# Altium PCB BLDC_v3.PcbDoc (part 1 of 2) (continued)
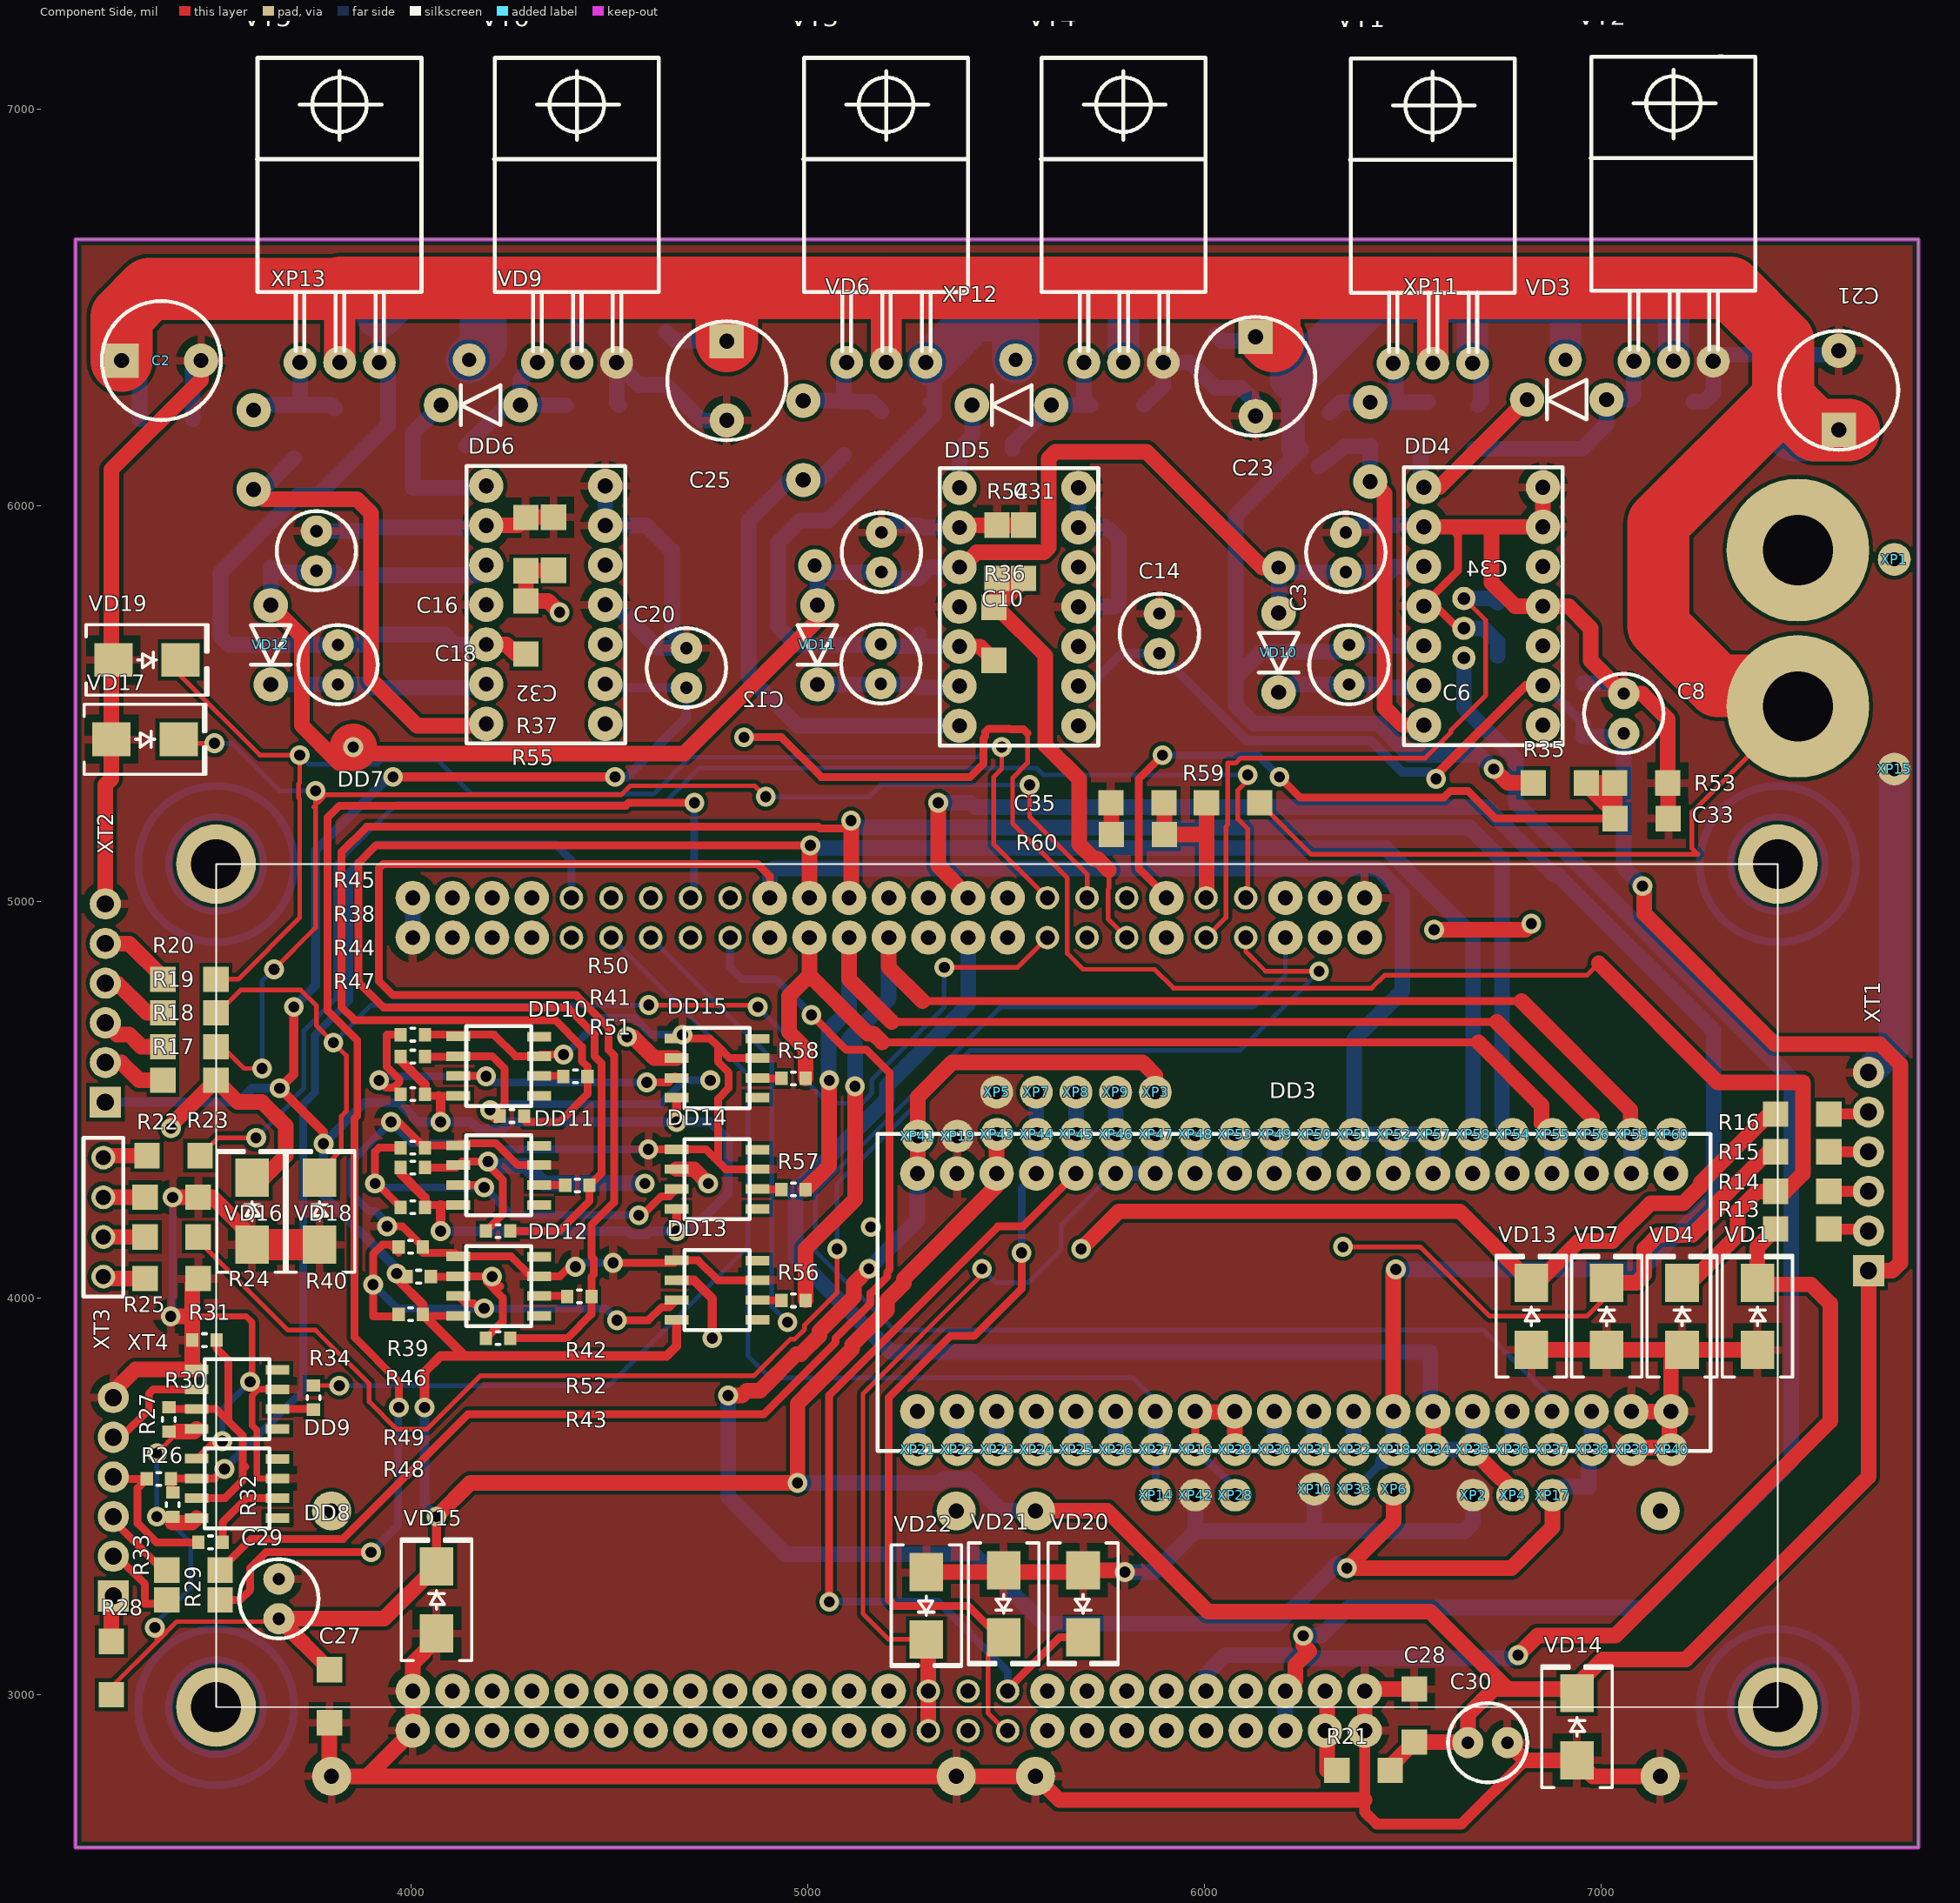
[diagram p0: Component Side view]
## Design rules (kind name [scope] priority, off if disabled: settings)
Clearance [All] p1: gap=10 except(11.81: Arc-Arc Arc-Track Arc-THPad Arc-Via Track-Track Track-THPad Track-Via THPad-THPad THPad-Via Via-Via)
ComponentClearance [All] p1 off: gap=5 collisioncheckmode=3 verticalgap=5 showdistances=FALSE
Height [All] p1 off: minheight=0 maxheight=1000 prefheight=500
PlaneClearance [All] p1: clearance=10
PlaneConnect [All] p1: planeconnectstyle=Relief reliefexpansion=20 reliefentries=4 reliefconductorwidth=19.68 reliefairgap=19.68
PolygonConnect PolygonConnect_1 [IsPolygon vs (Not HasFootprint('IRLZ44N')) and (Not HasFootprint('XP_WIDE')) and (Not HasFootprint(' ACS_SENSOR'))] p1: connectstyle=Relief reliefconductorwidth=19.68 reliefentries=4 polygonreliefangle="90 Angle" airgapwidth=19.68
PolygonConnect [IsPolygon vs HasFootprint('XP_WIDE') or HasFootprint('IRLZ44N') or  HasFootprint('ACS_SENSOR')] p2: connectstyle=Direct reliefconductorwidth=10 reliefentries=4 polygonreliefangle="90 Angle" airgapwidth=10
PolygonConnect PolygonConnect_12 [IsPolygon And InNet('GND') And OnLayer('Bottom Layer, Bottom') vs IsVia] p3 off: connectstyle=Direct reliefconductorwidth=15 reliefentries=4 polygonreliefangle="90 Angle" airgapwidth=10
PolygonConnect PolygonConnect_10 [IsPolygon And InNet('+36V') And OnLayer('Bottom Layer, Bottom') vs IsVia] p4 off: connectstyle=Direct reliefconductorwidth=15 reliefentries=4 polygonreliefangle="90 Angle" airgapwidth=10
PolygonConnect PolygonConnect_7 [IsPolygon And InNet('PHASE_A') And OnLayer('Bottom Layer, Bottom') vs IsPad] p5 off: connectstyle=Direct reliefconductorwidth=15 reliefentries=4 polygonreliefangle="90 Angle" airgapwidth=10
PolygonConnect PolygonConnect_6 [IsPolygon And InNet('PHASE_B') And OnLayer('Bottom Layer, Bottom') vs IsVia] p6 off: connectstyle=Direct reliefconductorwidth=15 reliefentries=4 polygonreliefangle="90 Angle" airgapwidth=10
PolygonConnect PolygonConnect_4 [IsPolygon And InNet('+12V') And OnLayer('Bottom Layer, Bottom') vs IsVia] p7 off: connectstyle=Direct reliefconductorwidth=15 reliefentries=4 polygonreliefangle="90 Angle" airgapwidth=10
PolygonConnect PolygonConnect_3 [IsPolygon And InNet('+12V') And OnLayer('Bottom Layer, Bottom') vs IsPad] p8 off: connectstyle=Direct reliefconductorwidth=15 reliefentries=4 polygonreliefangle="90 Angle" airgapwidth=10
RoutingVias [All] p1: holewidth=28 width=50 viastyle="Through Hole" minholewidth=28 minwidth=50 maxholewidth=280 maxwidth=500
SolderMaskExpansion [All] p1: expansion=4
Width [All] p1: maxlimit=500 minlimit=10 preferedwidth=10 midlayer2_maxwidth=10 minimp=50.000000 maximp=50.000000 favimp=50.000000
26 further rules are at their usual default settings.

## Components (designator, comment, footprint, x,y, rotation, side; value= is the part's Value field where it differs from the comment)
ACS758 "ACS758" ACS_SENSOR 6655,5690 r90 bottom
C1 "C_1206" RC1206 3450.28,6217.36 r180 bottom
C2 "C100_V_WIDE" C100_WIDE 3271.14,6365 r0 top
C3 "C10_V" C10_V 6357.32,5831.54 r90 top
C4 "C_1206" RC1206 6451.81,5949.65 r270 bottom
C5 "C_1206" RC1206 6451.81,5674.06 r270 bottom
C6 "C10_V" C10_V 6365.2,5548.07 r90 top
C7 "C_1206" RC1206 6955.75,5551.18 r270 bottom
C8 "C10_V" C10_V 7058.11,5425.2 r90 top
C9 "C_1206" RC1206 5280.98,5949.65 r270 bottom
C10 "C10_V" C10_V 5186.5,5831.54 r90 top
C11 "C_1206" RC1206 5280.98,5674.06 r270 bottom
C12 "C10_V" C10_V 5185,5550 r90 top
C13 "C_1206" RC1206 5784.92,5752.8 r270 bottom
C14 "C10_V" C10_V 5887.28,5626.81 r90 top
C15 "C_1206" RC1206 3903.03,5949.65 r270 bottom
C16 "C10_V" C10_V 3762.05,5835.12 r90 top
C17 "C_1206" RC1206 3903.03,5674.06 r270 bottom
C18 "C10_V" C10_V 3816.42,5548.07 r90 top
C19 "C_1206" RC1206 4596.97,5666.18 r270 bottom
C20 "C10_V" C10_V 4695,5540 r90 top
C21 "C100_V_WIDE" C100_WIDE 7600,6190 r90 top
C22 "C_1206" RC1206 7435,6380 r270 bottom
C23 "C100_V_WIDE" C100_WIDE 6130,6425 r270 top
C24 "C_1206" RC1206 6029.02,6296.1 r90 bottom
C25 "C100_V_WIDE" C100_WIDE 4796.73,6414.21 r270 top
C26 "C_1206" RC1206 4643.19,6303.98 r90 bottom
C27 "C_1206" RC1206 3795,2930 r90 top
C28 "C_1206" RC1206 6530,3015 r270 top
C29 "C10_V" C10_V 3667.5,3192.5 r90 top
C30 "C10_V" C10_V 6665,2880 r0 top
C31 "C_1206" RC1206 5545,5950 r270 top
C32 "C_1206" RC1206 4360,5970 r270 top
C33 "C_1206" RC1206 7170,5210 r180 top
C34 "C_1206" RC1206 6740,5620 r90 bottom
C35 "C_1206" RC1206 5765,5250 r0 top
DD1 "LM2596_WIDE" LM2596_WIDE 5375,2795 r180 bottom
DD2 "LM2596_WIDE" LM2596_WIDE 7150,2795 r180 bottom
DD3 "STM32F103_WIDE" STM32F103_BOARD_WIDE 5277.05,3715.12 r0 top
DD4 "IR2112_WIDE" DIP14_WIDE_HOLES 6554.17,6045.71 r0 top
DD5 "IR2112_WIDE" DIP14_WIDE_HOLES 5383.35,6044.13 r0 top
DD6 "IR2112_WIDE" DIP14_WIDE_HOLES 4190.39,6049.13 r0 top
DD7 "STM32F4Disco" STM32F407-Disco 6405,5010 r270 top
DD8 "HCPL0600" HCPL0600 3480,3420 r90 top
DD9 "HCPL0600" HCPL0600 3480,3645 r90 top
DD10 "HCPL0600" HCPL0600 4140,4485 r90 top
DD11 "HCPL0600" HCPL0600 4140,4210 r90 top
DD12 "HCPL0600" HCPL0600 4140,3930 r90 top
DD13 "HCPL0600" HCPL0600 4690,3920 r90 top
DD14 "HCPL0600" HCPL0600 4690,4200 r90 top
DD15 "HCPL0600" HCPL0600 4690,4480 r90 top
R1 "R_1206" CC1206 6565,6265 r0 bottom
R2 "R_1206" CC1206 6316.42,6099.25 r90 bottom
R3 "R_1206" CC1206 6546.3,6142.56 r0 bottom
R4 "R_1206" CC1206 7099.88,6260.67 r0 bottom
R5 "R_1206" CC1206 5186.5,6237.05 r0 bottom
R6 "R_1206" CC1206 5092.01,6126.81 r90 bottom
R7 "R_1206" CC1206 5383.35,6142.56 r0 bottom
R8 "R_1206" CC1206 5714.06,6252.8 r0 bottom
R9 "R_1206" CC1206 3808.54,6244.92 r0 bottom
R10 "R_1206" CC1206 3706.18,6118.94 r90 bottom
R11 "R_1206" CC1206 4005.39,6150.43 r0 bottom
R12 "R_1206" CC1206 4391.22,6252.8 r0 bottom
R13 "R_1206" CC1206 7575,4175 r180 top
R14 "R_1206" CC1206 7575,4270 r180 top
R15 "R_1206" CC1206 7575,4370 r180 top
R16 "R_1206" CC1206 7575,4465 r180 top
R17 "R_1206" CC1206 3375,4550 r0 top
R18 "R_1206" CC1206 3375,4635 r0 top
R19 "R_1206" CC1206 3375,4720 r0 top
R20 "R_1206" CC1206 3375,4805 r0 top
R21 "R_1206" CC1206 6335,2810 r0 top
R22 "R_1206" CC1206 3335,4360 r0 top
R23 "R_1206" CC1206 3330,4255 r0 top
R24 "R_1206" CC1206 3330,4155 r0 top
R25 "R_1206" CC1206 3330,4050 r0 top
R26 "4.7k" SMT0603/VISHAY 3400,3480 r90 top
R27 "Перемычка" SMT0603/VISHAY 3365,3545 r0 top
R28 "R_1206" CC1206 3245,3135 r270 top
R29 "R_1206" CC1206 3385,3240 r0 top
R30 "10k" SMT0603/VISHAY 3390,3695 r90 top
R31 "10k" SMT0603/VISHAY 3480,3895 r180 top
R32 "R_1206" CC1206 3385,3315 r0 top
R33 "220" SMT0603/VISHAY 3495,3385 r0 top
R34 "220" SMT0603/VISHAY 3755,3750 r270 top
R35 "R_1206" CC1206 6830,5300 r0 top
R36 "R_1206" CC1206 5470,5609 r90 top
R37 "R_1206" CC1206 4290,5625 r90 top
R38 "4.7k" SMT0603/VISHAY 4005,4610 r0 top
R39 "4.7k" SMT0603/VISHAY 4005,4330 r0 top
R40 "4.7k" SMT0603/VISHAY 4020,4055 r0 top
R41 "Перемычка" SMT0603/VISHAY 4255,4460 r180 top
R42 "Перемычка" SMT0603/VISHAY 4220,4170 r180 top
R43 "Перемычка" SMT0603/VISHAY 4220,3900 r180 top
R44 "10k" SMT0603/VISHAY 4005,4515 r180 top
R45 "10k" SMT0603/VISHAY 4005,4665 r0 top
R46 "10k" SMT0603/VISHAY 4005,4230 r180 top
R47 "10k" SMT0603/VISHAY 4005,4380 r0 top
R48 "10k" SMT0603/VISHAY 4000,3960 r180 top
R49 "10k" SMT0603/VISHAY 4000,4130 r0 top
R50 "220" SMT0603/VISHAY 4415,4560 r180 top
R51 "220" SMT0603/VISHAY 4420,4285 r180 top
R52 "220" SMT0603/VISHAY 4425,4005 r180 top
R53 "R_1206" CC1206 7035,5300 r0 top
R54 "R_1206" CC1206 5478,5816 r90 top
R55 "R_1206" CC1206 4290,5835 r90 top
R56 "220" SMT0603/VISHAY 4965,3995 r180 top
R57 "220" SMT0603/VISHAY 4965,4275 r180 top
R58 "220" SMT0603/VISHAY 4965,4555 r180 top
R59 "R_1206" CC1206 6140,5250 r180 top
R60 "R_1206" CC1206 5900,5170 r180 top
VD1 "SMLVT3V3" "DO214AA SMB" 7395,3955 r90 top
VD2 "DIODE_LIE_WIDE" DIODE_V_WIDE_HOLES 6418.78,6059.88 r90 bottom
VD3 "DIODE_LIE_WIDE" DIODE_V_WIDE_HOLES 6814.45,6266.57 r0 top
VD4 "SMLVT3V3" "DO214AA SMB" 7205,3955 r90 top
VD5 "DIODE_LIE_WIDE" DIODE_V_WIDE_HOLES 4989.65,6063.82 r90 bottom
VD6 "DIODE_LIE_WIDE" DIODE_V_WIDE_HOLES 5414.84,6252.8 r0 top
VD7 "SMLVT3V3" "DO214AA SMB" 7015,3955 r90 top
VD8 "DIODE_LIE_WIDE" DIODE_V_WIDE_HOLES 3603.82,6040.2 r90 bottom
VD9 "DIODE_LIE_WIDE" DIODE_V_WIDE_HOLES 4076.26,6252.8 r0 top
VD10 "DIODE_LIE_WIDE" DIODE_V_WIDE_HOLES 6188.03,5528.39 r90 top
VD11 "DIODE_LIE_WIDE" DIODE_V_WIDE_HOLES 5025.08,5548.07 r90 top
VD12 "DIODE_LIE_WIDE" DIODE_V_WIDE_HOLES 3647.13,5548.07 r90 top
VD13 "SMLVT3V3" "DO214AA SMB" 6825,3955 r90 top
VD14 "SMBJ5.0CA-TR" "DO214AA SMB" 6940,2920 r90 top
VD15 "SMBJ5.0CA-TR" "DO214AA SMB" 4065,3240 r90 top
VD16 "SMLVT3V3" "DO214AA SMB" 3600,4220 r90 top
VD17 "SMLVT3V3" "DO214AA SMB" 3330,5410 r0 top
VD18 "SMLVT3V3" "DO214AA SMB" 3770,4220 r90 top
VD19 "SMLVT3V3" "DO214AA SMB" 3335,5610 r0 top
VD20 "SMBJ5.0CA-TR" "DO214AA SMB" 5695,3230 r270 top
VD21 "SMBJ5.0CA-TR" "DO214AA SMB" 5495,3230 r270 top
VD22 "SMBJ5.0CA-TR" "DO214AA SMB" 5300,3225 r270 top
VT1 "IRLZ44N" IRLZ44N 6469.96,6365 r0 top
VT2 "IRLZ44N" IRLZ44N 7077.05,6370.12 r0 top
VT3 "IRLZ44N" IRLZ44N 5092.01,6366.97 r0 top
VT4 "IRLZ44N" IRLZ44N 5690.43,6366.97 r0 top
VT5 "IRLZ44N" IRLZ44N 3714.06,6366.97 r0 top
VT6 "IRLZ44N" IRLZ44N 4312.48,6366.97 r0 top
XP1 "XP_1_WIDE" XP_WIDE 7740,5863.7 r90 top
XP2 "XP_1_WIDE" XP_WIDE 6678.11,3504.02 r270 top
XP3 "XP_1_WIDE" XP_WIDE 5877.05,4520.12 r0 top
XP4 "XP_1_WIDE" XP_WIDE 6778.11,3504.02 r270 top
XP5 "XP_1_WIDE" XP_WIDE 5477.05,4520.12 r0 top
XP6 "XP_1_WIDE" XP_WIDE 6478.11,3519.02 r270 top
XP7 "XP_1_WIDE" XP_WIDE 5577.05,4520.12 r0 top
XP8 "XP_1_WIDE" XP_WIDE 5677.05,4520.12 r0 top
XP9 "XP_1_WIDE" XP_WIDE 5777.05,4520.12 r0 top
XP10 "XP_1_WIDE" XP_WIDE 6278.11,3519.02 r270 top
XP11 "XP_1_WIDE" XP_WIDE 6910.91,6366.97 r0 top
XP12 "XP_1_WIDE" XP_WIDE 5525.08,6366.97 r0 top
XP13 "XP_1_WIDE" XP_WIDE 4147.13,6366.97 r0 top
XP14 "XP_1_WIDE" XP_WIDE 5878.11,3504.02 r90 top
XP15 "XP_1_WIDE" XP_WIDE 7740,5335 r90 top
XP16 "XP_1_WIDE" XP_WIDE 5978.11,3619.02 r0 top
XP17 "XP_1_WIDE" XP_WIDE 6878.11,3504.02 r270 top
XP18 "XP_1_WIDE" XP_WIDE 6478.11,3619.02 r0 top
XP19 "XP_1_WIDE" XP_WIDE 5378.11,4409.02 r0 top
XP21 "XP_1_WIDE" XP_WIDE 5278.11,3619.02 r0 top
XP22 "XP_1_WIDE" XP_WIDE 5378.11,3619.02 r0 top
XP23 "XP_1_WIDE" XP_WIDE 5478.11,3619.02 r0 top
XP24 "XP_1_WIDE" XP_WIDE 5578.11,3619.02 r0 top
XP25 "XP_1_WIDE" XP_WIDE 5678.11,3619.02 r0 top
XP26 "XP_1_WIDE" XP_WIDE 5778.11,3619.02 r0 top
XP27 "XP_1_WIDE" XP_WIDE 5878.11,3619.02 r0 top
XP28 "XP_1_WIDE" XP_WIDE 6078.11,3504.02 r90 top
XP29 "XP_1_WIDE" XP_WIDE 6078.11,3619.02 r0 top
XP30 "XP_1_WIDE" XP_WIDE 6178.11,3619.02 r0 top
XP31 "XP_1_WIDE" XP_WIDE 6278.11,3619.02 r0 top
XP32 "XP_1_WIDE" XP_WIDE 6378.11,3619.02 r0 top
XP33 "XP_1_WIDE" XP_WIDE 6378.11,3519.02 r270 top
XP34 "XP_1_WIDE" XP_WIDE 6578.11,3619.02 r0 top
XP35 "XP_1_WIDE" XP_WIDE 6678.11,3619.02 r0 top
XP36 "XP_1_WIDE" XP_WIDE 6778.11,3619.02 r0 top
XP37 "XP_1_WIDE" XP_WIDE 6878.11,3619.02 r0 top
XP38 "XP_1_WIDE" XP_WIDE 6978.11,3619.02 r0 top
XP39 "XP_1_WIDE" XP_WIDE 7078.11,3619.02 r0 top
XP40 "XP_1_WIDE" XP_WIDE 7178.11,3619.02 r0 top
XP41 "XP_1_WIDE" XP_WIDE 5278.11,4409.02 r0 top
XP42 "XP_1_WIDE" XP_WIDE 5978.11,3504.02 r90 top
XP43 "XP_1_WIDE" XP_WIDE 5478.11,4414.02 r0 top
XP44 "XP_1_WIDE" XP_WIDE 5578.11,4414.02 r0 top
XP45 "XP_1_WIDE" XP_WIDE 5678.11,4414.02 r0 top
XP46 "XP_1_WIDE" XP_WIDE 5778.11,4414.02 r0 top
XP47 "XP_1_WIDE" XP_WIDE 5878.11,4414.02 r0 top
XP48 "XP_1_WIDE" XP_WIDE 5978.11,4414.02 r0 top
XP49 "XP_1_WIDE" XP_WIDE 6178.11,4414.02 r0 top
XP50 "XP_1_WIDE" XP_WIDE 6278.11,4414.02 r0 top
XP51 "XP_1_WIDE" XP_WIDE 6378.11,4414.02 r0 top
XP52 "XP_1_WIDE" XP_WIDE 6478.11,4414.02 r0 top
XP53 "XP_1_WIDE" XP_WIDE 6078.11,4414.02 r0 top
XP54 "XP_1_WIDE" XP_WIDE 6778.11,4414.02 r0 top
XP55 "XP_1_WIDE" XP_WIDE 6878.11,4414.02 r0 top
XP56 "XP_1_WIDE" XP_WIDE 6978.11,4414.02 r0 top
XP57 "XP_1_WIDE" XP_WIDE 6578.11,4414.02 r0 top
XP58 "XP_1_WIDE" XP_WIDE 6678.11,4414.02 r0 top
XP59 "XP_1_WIDE" XP_WIDE 7078.11,4414.02 r0 top
XP60 "XP_1_WIDE" XP_WIDE 7178.11,4414.02 r0 top
XT1 "PLS6_GOST" XP_6_PIN 7675,4070 r90 top
XT2 "PLS6_GOST" XP_6_PIN 3230,4495 r90 top
XT3 "PLS4_GOST" XP_4_PIN_2 3225,4355 r0 top
XT4 "PLS6_GOST" XP_6_PIN 3250,3250 r90 top

## Footprints (in the part's own frame and the unit in brackets; to place one, negate y for a bottom-side part, rotate by r counter-clockwise, add the part's x,y. Pads: shape width x height; smd on the part's side, far side on the other; paste and mask are expansions set on the pad)
ACS_SENSOR [mil]
  round 59 hole 31.5: 1(-75,0) 2(0,0) 3(75,0)
  round 360 hole 177.17: 4(197,842) 5(-197,842)
  Multi-Layer lines w3.94: -275,802 cw(c-275,842) -315,842 cw(c-275,842) -275,882 ; -118,802 ccw(c-118,842) -118,882 ; 118,802 cw(c118,842) 118,882 ; 275,802 ccw(c275,842) 285.58,880.58 ccw(c275,842) 275,882
  Multi-Layer lines w4: -275,802 -237,802 -197,802 -157,802 -118,802 ; 118,802 197,802 275,802 ; -275,882 -237,882 -197,882 -118,882 ; 118,882 173.7,882 188,882 197,882 275,882
  body extent -276,-10 276,870, height 276
C10_V [mm]
  round 2 hole 0.8 unplated: 1(0,0) 2(2.54,0)
  silkscreen extent -1.27,-2.54 3.81,2.54, body extent -1.26,-2.51 3.74,2.49, height 10.9
C100_WIDE [mm]
  rect 2.2x2.2 hole 0.965: 1(0,0)
  round 2.2 hole 0.965: 2(5.08,0)
  silkscreen extent -1.27,-3.81 6.35,3.81, body extent -2.51,-5.01 7.49,4.96, height 12.5
CC1206 [mil]
  rect 64x64 smd: 1(0,0) 2(134,0)
  body extent 8,-31 134,32, height 39
DIODE_V_WIDE_HOLES [mm]
  round 2.2 hole 0.965: 1(5.08,0) 2(0,0)
  silkscreen extent 1.27,-1.27 3.81,1.27
DIP14_WIDE_HOLES [mm]
  round 2.2 hole 0.965: 1(0,0) 2(0,-2.54) 3(0,-5.08) 4(0,-7.62) 5(0,-10.16) 6(0,-12.7) 7(0,-15.24) 8(7.62,-15.24) 9(7.62,-12.7) 10(7.62,-10.16) 11(7.62,-7.62) 12(7.62,-5.08) 13(7.62,-2.54) 14(7.62,0)
  silkscreen extent -1.27,-16.51 8.89,1.27, body extent -0.12,-17.46 7.75,2.23, height 5.33
"DO214AA SMB" [mm] "Molded Diode, 2-Leads, Body 4.31x3.62mm, IPC Medium Density"
  rect 2.45x2.15 smd: 1(-2.15,0) 2(2.15,0)
  silkscreen extent -3.9,-2.25 3.9,2.25, body extent -2.6,-1.8 2.6,1.8, height 2.4
HCPL0600 [mil]
  rect 24x60 smd: 1(26,-184) 2(76,-184) 3(126,-184) 4(175,-184) 5(176,20) 6(126,20) 7(76,20) 8(26,20)
  silkscreen extent 0,-164 202,0, body extent 0,-164 202,0, height 143
IRLZ44N [mm]
  round 2.1 hole 0.965: 1(0.17,-0.17) 2(2.71,-0.17) 3(5.25,-0.17)
  silkscreen extent -2.6,0.55 7.95,19.35, body extent -2.56,-0.45 7.98,19.32, height 4.7
LM2596_WIDE [mm]
  round 2.5 hole 0.965: 1(0,0) 2(40,0) 3(40,17) 4(0,17)
  silkscreen extent -2,-2 42,19, body extent -1.43,-2.09 41.57,19.11, height 12.7
RC1206 [mil]
  rect 64x64 smd: 1(0,0) 2(134,0)
  body extent 1,-32 127,32, height 21
SMT0603/VISHAY [mm]
  rect 0.787x0.864 smd: 1(-0.775,0) 2(0.775,0)
  silkscreen extent -0.13,-0.41 0.13,0.41, body extent -0.78,-0.43 0.77,0.43, height 0.45
STM32F103_BOARD_WIDE [mm]
  round 2.2 hole 0.965: 1(0,0) 2(2.54,0) 3(5.08,0) 4(7.62,0) 5(10.16,0) 6(12.7,0) 7(15.24,0) 8(17.78,0) 9(20.32,0) 10(22.86,0) 11(25.4,0) 12(27.94,0) 13(30.48,0) 14(33.02,0) 15(35.56,0) 16(38.1,0) 17(40.64,0) 18(43.18,0) 19(45.72,0) 20(48.26,0) 21(48.26,15.24) 22(45.72,15.24) 23(43.18,15.24) 24(40.64,15.24) 25(38.1,15.24) 26(35.56,15.24) 27(33.02,15.24) 28(30.48,15.24) 29(27.94,15.24) 30(25.4,15.24) 31(22.86,15.24) 32(20.32,15.24) 33(17.78,15.24) 34(15.24,15.24) 35(12.7,15.24) 36(10.16,15.24) 37(7.62,15.24) 38(5.08,15.24) 39(2.54,15.24) 40(0,15.24)
  silkscreen extent -2.54,-2.54 50.8,17.78, body extent -2.86,-3.86 55.78,18.64, height 11.05
STM32F407-Disco [mm]
  round 2.2 hole 0.965: 1(0,0) 2(2.54,0) 3(0,-2.54) 4(2.54,-2.54) 5(0,-5.08) 6(2.54,-5.08) 11(0,-12.7) 12(2.54,-12.7) 19(0,-22.86) 20(2.54,-22.86) 21(0,-25.4) 22(2.54,-25.4) 23(0,-27.94) 24(2.54,-27.94) 25(0,-30.48) 26(2.54,-30.48) 27(0,-33.02) 28(2.54,-33.02) 29(0,-35.56) 30(2.54,-35.56) 31(0,-38.1) 32(2.54,-38.1) 43(0,-53.34) 44(2.54,-53.34) 45(0,-55.88) 46(2.54,-55.88) 47(0,-58.42) 48(2.54,-58.42) 49(0,-60.96) 50(2.54,-60.96) 51(50.8,0) 52(53.34,0) 53(50.8,-2.54) 54(53.34,-2.54) 55(50.8,-5.08) 56(53.34,-5.08) 57(50.8,-7.62) 58(53.34,-7.62) 59(50.8,-10.16) 60(53.34,-10.16) 61(50.8,-12.7) 62(53.34,-12.7) 63(50.8,-15.24) 64(53.34,-15.24) 65(50.8,-17.78) 66(53.34,-17.78) 67(50.8,-20.32) 68(53.34,-20.32) 75(50.8,-30.48) 76(53.34,-30.48) 77(50.8,-33.02) 78(53.34,-33.02) 79(50.8,-35.56) 80(53.34,-35.56) 81(50.8,-38.1) 82(53.34,-38.1) 83(50.8,-40.64) 84(53.34,-40.64) 85(50.8,-43.18) 86(53.34,-43.18) 87(50.8,-45.72) 88(53.34,-45.72) 89(50.8,-48.26) 90(53.34,-48.26) 91(50.8,-50.8) 92(53.34,-50.8) 93(50.8,-53.34) 94(53.34,-53.34) 95(50.8,-55.88) 96(53.34,-55.88) 97(50.8,-58.42) 98(53.34,-58.42) 99(50.8,-60.96) 100(53.34,-60.96)
  round 1.5 hole 0.965: 7(0,-7.62) 8(2.54,-7.62) 9(0,-10.16) 10(2.54,-10.16) 13(0,-15.24) 14(2.54,-15.24) 15(0,-17.78) 16(2.54,-17.78) 17(0,-20.32) 18(2.54,-20.32) 33(0,-40.64) 34(2.54,-40.64) 35(0,-43.18) 36(2.54,-43.18) 37(0,-45.72) 38(2.54,-45.72) 39(0,-48.26) 40(2.54,-48.26) 41(0,-50.8) 42(2.54,-50.8) 69(50.8,-22.86) 70(53.34,-22.86) 71(50.8,-25.4) 72(53.34,-25.4) 73(50.8,-27.94) 74(53.34,-27.94)
  body extent -6.35,-66.05 59.65,35.06, height 27
XP_4_PIN_2 [mil]
  round 60 hole 38: 1(0,0) 2(0,-100) 3(0,-200) 4(0,-300)
  silkscreen extent -50,-350 50,50
XP_6_PIN [mm]
  rect 2x2 hole 1.1: 1(0,0)
  round 2 hole 1.1: 2(2.54,0) 3(5.08,0) 4(7.62,0) 5(10.16,0) 6(12.7,0)
XP_WIDE [mm]
  round 2.1 hole 0.9: 1(0,0)

## Part data
R26 R27 R33 R34 R38 R39 R40 R41 R42 R43 R50 R51 R52 R56 R57 R58: library part CRCW060310K0FKEA/MURATA, "10k"
R30 R31 R44 R45 R46 R47 R48 R49: library part CRCW060310K0FKEA/MURATA
XT1 XT2 XT4: "Header, 6-Pin"
XT3: "Header, 5-Pin"

## Free pads (board coordinates)
  round 200.79 hole 125.98: 0(3509.33,2969.33) 0(3509.33,5095.31) 0(7446.34,2969.33) 0(7446.34,5095.31)

## Via types
v1: diameter 50, hole 28, Component Side to Solder Side, 95 vias
v2: diameter 82.68, hole 35.43, Component Side to Solder Side, 2 vias
v3: diameter 50/50/50/50 (per signal layer), hole 28, Component Side to Solder Side, 1 vias

## Nets (pads, with @x,y where several pads share a name; then routed paths per layer and width w, separated by ;. In a path a pad name is that pad's centre, name@x,y a point inside that pad or via, vN(x,y) a via of type N, cw(c..) or ccw(c..) an arc to the next point about the centre after c; other vN are vias at no path point)
+3.3V: DD3.18 DD3.40 XP3.1 XP6.1 XP17.1 XP38.1 XP41.1 | length 4876.9
  Component Side w39.37: v1(4800,3755) 4835,3755 4847.6,3767.6 4880.49,3767.6 4972.78,3859.88 4983.19,3859.88 5030.12,3906.81 5030.12,3917.22 5117.4,4004.51 5117.4,4037.4 v1(5155,4075) ; DD3.40@5277.05,4315.12 5278.11,4316.18 XP41.1@5278.11,4409.02 5278.11,4508.11 5365,4595 5845,4595 5877.05,4562.95 XP3.1@5877.05,4520.12 ; XP6.1@6478.11,3519.02 6478.11,3438.11 v1(6360,3320) 6775,3320 6878.11,3423.11 XP17.1@6878.11,3504.02
  Solder Side w39.37: v1(4800,3755) 4800,3500 4945,3355 5420,3355 5595,3180 6185,3180 6335,3330 6345,3320 v1(6360,3320) ; v1(5155,4075) 5277.05,4197.05 DD3.40@5277.05,4315.12 ; XP17.1@6878.11,3524.02 6879.09,3525 6970,3525 6970,3613.03 6977.05,3620.08 DD3.18@6977.05,3715.12
+5V: C7.2 C8.1 C13.2 C14.1 C19.2 C20.1 C27.2 C28.2 C29.1 C30.1 DD2.3 DD3.38 DD4.9 DD5.9 DD6.9 DD8.8 DD9.8 DD10.8 DD11.8 DD12.8 DD13.8 DD14.8 DD15.8 R21.2 R26.1 R28.2 R30.1 R38.1 R39.1 R40.1 R44.1 R46.1 R48.1 VD14.2 VD15.2 XP43.1 XT1.1 XT2.1 | length 18938.9
  Component Side w11.81: R28.2@3245,3001 3245,3020 3360,3135 ; v1(3355,3170) 3360,3170 3360,3135 ; v1(3360,3610) 3410,3660 3410,3664.49 ; C29.1@3667.5,3192.5 3660,3185 3410,3185 3360,3135
  Component Side w19.68: R48.1@4034.51,3956 DD12.8@4120,3956 ; R46.1@4035.51,4230 4041.51,4236 4075,4236 DD11.8@4120,4236 ; R44.1@4035.51,4515 4039.51,4511 4070,4511 DD10.8@4120,4511
  Component Side w23.62: v1(3705,4735) 3705,4565.36 v1(3669.82,4530.18) 3780,4420 v1(3780,4390) ; v1(3955,5315) v1(4515,5315) ; v1(3964.42,4062.99) 3964.42,4060.07 3969.49,4055 3969.49,4045.51 4030.51,3984.49 R48.1@4030.51,3960 4034.51,3956 4135.51,3855 ; R39.1@3974.49,4330 3974.49,4315.51 4035.51,4254.49 R46.1@4035.51,4230 ; R38.1@3974.49,4610 3974.49,4600.51 4035.51,4539.49 R44.1@4035.51,4515 ; v1(4035,3725) 4035,3815 4075,3855 4135.51,3855 ; VD15.2@4065,3324.65 v1(4065,3450) ; 4070,4511 4075,4506 v1(4075,4445) ; v1(4075,4170) 4075,4236 ; DD13.8@4670,3946 4670,3880 4645,3855 4135.51,3855 ; v1(4670,4170) DD14.8@4670,4226 ; v1(4670,4445) DD15.8@4670,4506 ; v1(6585,5310) 6585,5320 6810.71,5545.71 DD4.9@6854.17,5545.71
  Component Side w39.37: R26.1@3400,3434.49 3448.49,3434.49 DD8.8@3460,3446 ; 3410,3664.49 3453.49,3664.49 DD9.8@3460,3671 ; C27.2@3795,3064 3795,3065 C29.1@3667.5,3192.5 3932.85,3192.5 VD15.2@4065,3324.65 ; v1(4065,3450) 4150,3535 v1(4975,3535) 4975,3734.77 5017.43,3777.2 5112.8,3872.57 5112.8,3882.98 5200.08,3970.26 5200.08,3995.64 5242.99,4038.55 5242.99,4049.53 5477.05,4283.59 DD3.38@5477.05,4315.12 5477.05,4412.95 XP43.1@5478.11,4414.02 ; DD2.3@5575.2,3464.29 5755.71,3464.29 6010,3210 6570,3210 6765,3015 ; R21.2@6459,2810 C28.2@6530,2881 6664,2881 C30.1@6665,2880 6665,2950 6730,3015 6765,3015 ; v1(7105,5040) 7110,5035 7110,4970 7439.13,4640.87 7704.35,4640.87 7755,4590.22 7755,4090 7735,4070 XT1.1@7675,4070 7675,3550 7215,3090 7004.65,3090 6929.65,3015 6765,3015
  Solder Side w11.81: v1(3355,3170) 3355,3180 3445,3270 3445,3385 3375,3455 3370,3450 v1(3360,3450) v1(3360,3610)
  Solder Side w23.62: XT2.1@3230,4495 3565,4495 3600.18,4530.18 v1(3669.82,4530.18) ; v1(3705,4735) 3760,4790 3760,5130 v1@3945,5315 ; v1(3964.42,4062.99) 3964.42,4075.58 3780,4260 v1(3780,4390) 3883.62,4493.62 3970.14,4493.62 4018.76,4445 v1(4075,4445) 4151.38,4445 4170,4426.38 4230,4426.38 4248.62,4445 v1(4670,4445) 4755,4445 4800,4400 4800,4265 4705,4170 v1(4670,4170) 4603.76,4170 4595.14,4161.38 4554.86,4161.38 4546.24,4170 v1(4075,4170) ; v1(4035,3725) 4035,3480 v1(4065,3450) ; DD6.9@4495.39,5544.13 4499.33,5540.2 C20.1@4699.33,5540.2 ; v1(4515,5315) 4545,5315 4695,5465 C20.1@4695,5540 ; DD5.9@5683.35,5544.13 5710.26,5544.13 C13.2@5784.92,5618.8 5792.94,5626.81 C14.1@5887.28,5626.81 5887.28,5626.47 6107.06,5406.69 6420.19,5406.69 6499.29,5327.6 6567.4,5327.6 v1(6585,5310) ; DD4.9@6854.17,5545.71 6859.96,5545.71 6955.75,5449.92
  Solder Side w39.37: v1(4975,3535) 5331.57,3535 5341.57,3545 5408.43,3545 5489.14,3464.29 DD2.3@5575.2,3464.29 ; 6955.75,5449.92 C7.2@6955.75,5417.18 7050.09,5417.18 C8.1@7058.11,5425.2 7058.11,5086.89 v1(7105,5040)
+12V: C3.1 C4.2 C9.2 C10.1 C15.2 C16.1 DD1.3 DD2.4 DD4.3 DD5.3 DD6.3 VD10.1 VD11.1 VD12.1 | length 11367.7
  Component Side w39.37: VD12.1@3647.13,5748.07 3725,5670.2 3725,5445 3820,5350 3855,5350 3879.33,5374.33 4689.33,5374.33 5025.08,5710.08 VD11.1@5025.08,5748.07 ; DD5.3@5383.35,5844.13 5389.13,5844.13 5426.69,5881.69 5596.69,5881.69 5608.54,5893.54 5608.54,6118.54 5625,6135 5855,6135 6146.65,5843.35 v2(6188.03,5843.35)
  Component Side w118.11: v3(3855,5390) v3@3855.87,5389.13
  Signal Layer 1 w39.37: v2(6188.03,5843.35) v2@6206.65,5843.35 ; C3.1@6357.32,5831.54 6540,5831.54 DD4.3@6554.17,5845.71
  Signal Layer 1 w118.11: v3(3855,5390) 3855.87,5389.13 3855.87,5208.4 3790,5142.53 3790,4795.58 3930.86,4654.71 4149.14,4654.71 4150.29,4655.87 4229.71,4655.87 4230.86,4654.71 4275.29,4654.71 4275.29,4610.29 4285.87,4599.71 4285.87,4524.71 ; 4295.87,4514.71 4295.87,4195.03 4315.24,4175.66 4315.24,4009.34 4295.87,3989.97 4295.87,3840.29 4050.38,3594.8 3800.2,3594.8 DD1.3@3800.2,3464.29 3800.2,3299.8 3901.18,3198.82 4955.61,3198.82 5015.29,3139.13 5094.71,3139.13 5154.39,3198.82 6093.24,3198.82 6139.9,3245.47 6289.71,3245.47 6319.32,3215.87 6901.57,3215.87 DD2.4@7150,3464.29
  Solder Side w39.37: VD12.1@3647.13,5748.07 3647.13,5843.35 3658.94,5831.54 3808.54,5831.54 ; 3803.82,5826.81 3808.54,5831.54 ; DD6.3@4165,5823.66 3911.05,5823.66 C15.2@3903.03,5815.65 3824.43,5815.65 3808.54,5831.54 ; DD6.3@4169.92,5828.66 DD6.3@4190.39,5849.13 ; VD11.1@5025.08,5748.07 5025.08,5843.35 5037.68,5830.75 5185.71,5830.75 C10.1@5186.5,5831.54 5202.39,5815.65 C9.2@5280.98,5815.65 5309.47,5844.13 DD5.3@5383.35,5844.13 ; VD10.1@6188.03,5728.39 v2(6188.03,5843.35) 6199.84,5831.54 C3.1@6357.32,5831.54 6435.92,5831.54 C4.2@6451.81,5815.65 6481.87,5845.71 DD4.3@6554.17,5845.71
  other v2: 5018.19,5848.27
+36V: ACS758.4 XP1.1 | length 186.5
  Signal Layer 1 w157.48: ACS758.4@7497,5887 7537,5887 7683.55,5887
+36V_I: ACS758.5 C1.2 C2.1 C21.1 C22.2 C23.1 C24.2 C25.1 C26.2 DD1.4 R59.1 VT1.2 VT3.2 VT5.2 | length 13631.2
  Component Side w11.81: R59.1@6140,5250 6270,5120 7245,5120 7230,5135 7230,5226 ACS758.5@7457,5453
  Component Side w78.74: VT5.2@3820.75,6360.28 3820.75,6545.75 3823.07,6548.07 ; VT3.2@5198.7,6360.28 5198.7,6546.77 5200,6548.07 ; VT1.2@6576.65,6358.31 6576.65,6544.72 6580,6548.07
  Component Side w157.48: C2.1@3271.14,6365 3271.14,6476.14 3340.75,6545.75 3820.75,6545.75 ; 3823.07,6548.07 4805,6548.07 ; C25.1@4796.73,6414.21 4796.73,6539.8 4805,6548.07 ; 5198.7,6546.77 5197.4,6548.07 4805,6548.07 ; 5200,6548.07 6165,6548.07 ; 6174.69,6414.21 6165,6423.9 6165,6548.07 ; 6576.65,6544.72 6573.31,6548.07 6165,6548.07 ; 6580,6548.07 7326.93,6548.07 7460,6415 7460,6270 ; ACS758.5@7445,5545 7295,5545 7145,5695 7145,5955 7460,6270 ; C21.1@7625,6190 7540,6190 7460,6270
  Signal Layer 1 w157.48: DD1.4@5375,3464.29 5225.71,3464.29 5060,3630 5060,3687.38 5237.62,3865 7145,3865 7480,4200 7480,4745 7660,4925 7660,5150 7637.28,5172.72 7637.28,5251.2 7608.11,5280.37 7608.11,5286.26 7523.74,5286.26 7497,5313 ACS758.5@7497,5375 ; 7310.45,5680.45 7320.93,5680.45 7384.93,5616.45 7385.24,5616.45 7385.24,5604.76 7457,5533 ACS758.5@7497,5493
  Solder Side w39.37: C2.1@3271.14,6365 3316.28,6319.87 C1.2@3316.28,6217.36 ; C26.2@4643.19,6437.98 4666.95,6414.21 C25.1@4796.73,6414.21 ; C24.2@6029.02,6430.1 6044.91,6414.21 6174.69,6414.21
  Solder Side w157.48: C22.2@7435,6246 7491,6190 C21.1@7625,6190
+HALL_1: DD3.37 DD7.70 VD21.2 XP7.1 XP44.1 | length 2074.1
  Component Side w11.81: VD21.2@5495,3145.35 5455,3105.35 5455,2955 5500,2910 DD7.70@5505,2910
  Component Side w19.68: VD21.2@5495,3145.35 5484.65,3145.35 5405,3225 5220,3225 5205,3240 5205,3750 5360,3905 5420,3905 5540,4025 v1(5540,4115)
  Solder Side w19.68: v1(5540,4115) 5540,4278.07 DD3.37@5577.05,4315.12
  Solder Side w39.37: DD3.37@5577.05,4315.12 XP7.1@5577.05,4520.12
+HALL_2: DD3.36 DD7.69 VD20.2 XP8.1 XP45.1 | length 2401.3
  Component Side w19.68: v1(5055,3235) 5055,3756.31 5480.34,4181.65 5543.58,4181.65 DD3.36@5677.05,4315.12 ; DD7.69@5505,3010 5505,3015 5635.35,3145.35 VD20.2@5695,3145.35
  Solder Side w19.68: v1(5055,3235) 5330,3235 5505,3060 DD7.69@5505,3010
  Solder Side w39.37: DD3.36@5677.05,4315.12 XP8.1@5677.05,4520.12
+HALL_3: DD3.34 DD3.35 DD7.73 DD7.74 VD22.2 XP9.1 XP46.1 XP47.1 | length 2321.8
  Component Side w11.81: VD22.2@5300,3140.35 5204.65,3140.35 5140,3205 5140,3760 5440,4060 v1(5440,4075)
  Component Side w39.37: VD22.2@5300,3140.35 5305,3135.35 DD7.73@5305,3010 DD7.74@5305,2910
  Solder Side w11.81: v1(5440,4075) 5475,4040 5556.56,4040 5640,4123.44 5640,4185.41 5769.71,4315.12 DD3.35@5779.21,4315.12
  Solder Side w39.37: XP9.1@5777.05,4520.12 DD3.35@5777.05,4315.12 5779.21,4315.12 DD3.34@5877.05,4315.12 5878.11,4316.18 XP47.1@5878.11,4414.02
ANALOG_IO_0: DD7.7 R22.2 | length 3672.1
  Component Side w11.81: R22.2@3469,4360 3514,4405 v1(3610,4405) ; DD7.7@6105,5010 6110,5015 6110,5184.19 6085,5209.19 6085,5281.49 6110,5306.49 v1(6110,5320)
  Solder Side w11.81: v1(3610,4405) 3700.79,4495.79 3700.79,4500.74 3730.79,4530.74 3730.79,4675.74 3810,4754.95 3810,5093.22 3965.44,5248.66 4638.66,5248.66 4727.72,5337.72 5577.69,5337.72 5595.41,5320 v1(6110,5320)
ANALOG_IO_1: DD7.8 R24.2 | length 3945.3
  Component Side w11.81: R24.2@3464,4155 3464,4146 3690,3920 3760,3920 3895,3785 3895,3739.59 3964.59,3670 4040.41,3670 4175.41,3805 4865,3805 4957.28,3897.28 4967.69,3897.28 4992.72,3922.31 4992.72,3932.72 5075,4015 v1(5075,4125) ; DD7.8@6105,4910 6105,4875 6155,4825 v1(6290,4825)
  Solder Side w11.81: v1(5075,4125) 5075,4290.4 5409.6,4625 6090,4625 v1(6290,4825)
DIR: DD3.13 DD7.21 XP18.1 XP33.1 | length 4319.4
  Component Side w39.37: v1(5330,5250) 5330,5090.79 5405,5015.79 DD7.21@5405,5010 ; DD3.13@6477.05,3715.12 6477.05,4067.05 v1(6483.52,4073.52)
  Solder Side w19.68: XP33.1@6408.28,3546.18 XP18.1@6450.94,3588.85
  Solder Side w39.37: v1(5330,5250) 5410,5250 5421.5,5238.5 6711.5,5238.5 6881.5,5068.5 6891.5,5068.5 7285,4675 7285,4255 7103.52,4073.52 v1(6483.52,4073.52) ; XP18.1@6450.94,3588.85 6450.94,3589.02 6477.05,3615.12 DD3.13@6477.05,3715.12
GND: ACS758.2 C1.1 C2.2 C3.2 C4.1 C7.1 C8.2 C9.1 C10.2 C13.1 C14.2 C15.1 C16.2 C19.1 C20.2 C21.2 C22.1 C23.2 C24.1 C25.2 C26.1 C27.1 C28.1 C29.2 C30.2 C31.1 C32.1 C33.1 C34.1 C35.1 DD1.1 DD1.2 DD2.1 DD2.2 DD3.19 DD3.20 DD3.39 DD4.2 DD4.4 DD4.11 DD4.13 DD4.14 DD5.2 DD5.4 DD5.11 DD5.13 DD5.14 DD6.2 DD6.4 DD6.11 DD6.13 DD6.14 DD7.1 DD7.49 DD7.50 DD7.51 DD7.52 DD7.99 DD7.100 DD8.3 DD8.5 DD9.3 DD9.5 DD10.3 DD10.5 DD11.3 DD11.5 DD12.3 DD12.5 DD13.3 DD13.5 DD14.3 DD14.5 DD15.3 DD15.5 R4.2 R8.2 R12.2 R23.2 R25.2 R31.2 R45.2 R47.2 R49.2 R53.2 R54.2 R55.2 R60.2 VD1.1 VD4.1 VD7.1 VD13.1 VD14.1 VD15.1 VD16.1 VD17.1 VD18.1 VD19.1 VD20.1 VD21.1 VD22.1 VT2.3 VT4.3 VT6.3 XP2.1 XP5.1 XP10.1 XP15.1 XP19.1 XP39.1 XP40.1 XP42.1 XT1.6 XT2.6 XT4.6 | length 21973.9
  Component Side w15.75: 3444.49,3955 3449.49,3955 3585,3955 3600,3940 3600,3790 v1(3595,3790) ; DD8.5@3460,3596 3504,3640 v1(3525,3640) ; 3615,3770 3600,3755 3600,3680 3612,3668 3612,3550 3616,3546 DD8.3@3664,3546 ; 3616,3771 DD9.3@3664,3771
  Component Side w19.68: v1(3940.48,4182.01) 3978.5,4182.01 R49.2@4030.51,4130 ; v1(3950,4445) 3970.51,4445 R47.2@4035.51,4380 4041.51,4386 DD11.5@4120,4386 4125.65,4391.65 4214.32,4391.65 4269.98,4336 DD11.3@4324,4336 ; R49.2@4030.51,4115 4111,4115 DD12.5@4120,4106 4252.94,4106 4302.94,4056 DD12.3@4324,4056 4376,4056 4400,4080 v1(4415,4080) ; R45.2@4035.51,4665 4210,4665 4264,4611 DD10.3@4324,4611 4328,4615 v1(4385,4615) ; v1(4510,4090) 4664,4090 DD13.5@4670,4096 4724,4096 4774,4046 DD13.3@4874,4046 ; v1(4599,4376) DD14.5@4670,4376 4744,4376 4794,4326 DD14.3@4874,4326 ; DD15.5@4685,4656 4754,4656 4775,4635 ; 4775,4350 4775,4504.02 4801.65,4530.68 4801.65,4569.32 4775,4595.98 4775,4635 ; DD15.3@4874,4606 4804,4606 4775,4635 ; 6619.29,5945.71 6640,5925 6640,5835 6554.17,5749.17 DD4.4@6554.17,5745.71 6584.29,5745.71 6640,5690 ACS758.2@6655,5690
  Component Side w27.56: DD7.52@6405,2910 6405,2735 6405,2705 6435,2675 6649.29,2675 6809.65,2835.35
  Component Side w39.37: XT2.6@3230,4995 3230,5295 3245.35,5310.35 VD17.1@3245.35,5410 3245.35,6090.35 3471.14,6316.14 C2.2@3471.14,6365 ; XT4.6@3250,3750 3250,3765 3306,3821 DD9.5@3460,3821 3449.49,3831.51 R31.2@3449.49,3895 3449.49,3955 R25.2@3449.49,4035.49 ; v1(3395,3955) 3444.49,3955 ; v1(3400,4255) R23.2@3464,4255 3500,4255 3600,4155 VD16.1@3600,4135.35 ; C27.1@3795,2930 3795,2800.2 DD1.2@3800.2,2795 3890,2795 ; VD15.1@4065,3155.35 4065,3140 4005,3080 DD7.99@4005,3010 DD7.100@4005,2910 3890,2795 ; DD6.2@4190.39,5949.13 4270.13,5949.13 R55.2@4290,5969 4291,5970 C32.1@4360,5970 ; VD22.1@5300,3309.65 VD20.1@5690,3309.65 ; DD5.2@5389.21,5950 R54.2@5478,5950 C31.1@5545,5950 ; VD20.1@5695,3314.65 5795.35,3314.65 v1(5800,3310) ; C35.1@5765,5250 5766,5249 R60.2@5766,5170 ; 6405,2735 5635.2,2735 DD2.2@5575.2,2795 DD1.1@5375,2795 3890,2795 ; DD7.52@6405,2910 DD7.51@6405,3010 6410,3015 C28.1@6530,3015 ; DD4.2@6554.17,5945.71 6619.29,5945.71 6725,5945.71 ; C30.2@6765,2880 6809.65,2835.35 VD14.1@6940,2835.35 6980.35,2795 DD2.1@7150,2795 ; VD13.1@6825,3870.35 VD7.1@7015,3870.35 VD4.1@7205,3870.35 ; DD4.14@6854.17,6045.71 DD4.13@6854.17,5945.71 6725,5945.71 ; DD3.19@7077.05,3715.12 DD3.20@7177.05,3715.12 ; XP39.1@7078.11,3619.02 7083.07,3623.98 7173.15,3623.98 7173.15,3714.06 7178.11,3714.06 DD3.20@7177.05,3715.12 ; R53.2@7169,5300 7169,5461 7104.8,5525.2 C8.2@7058.11,5525.2 6975,5608.31 6975,5690 6919.29,5745.71 DD4.11@6854.17,5745.71 6784.29,5745.71 6725,5805 6725,5945.71 ; C33.1@7170,5210 R53.2@7170,5299 ; VD1.1@7395,3870.35 VD4.1@7205,3870.35 ; DD3.20@7177.05,3715.12 7177.05,3842.4 VD4.1@7205,3870.35
  Component Side w78.74: VD16.1@3600,4135.35 VD18.1@3770,4135.35
  Solder Side w15.75: v1(3525,3640) 3525,3710 3520,3715 v1(3595,3790)
  Solder Side w19.68: v1@3400,3960 v1(3400,4255) ; v1(3940.48,4182.01) 3940.48,4190.48 3910.97,4220 3895,4220 3850,4265 3850,4345 v1(3950,4445) 4003.35,4391.65 4214.32,4391.65 4229.98,4376 v1(4599,4376) ; v1(4385,4615) 4390,4615 4481.65,4706.65 4564.32,4706.65 4605.98,4665 v1(4685,4665) ; v1(4415,4080) 4425,4090 v1(4510,4090)
  Solder Side w39.37: v1(3395,3955) v1@3400,3960 ; C1.1@3450.28,6217.36 3450.28,6344.13 C2.2@3471.14,6365 ; C16.2@3762.05,5935.12 3888.5,5935.12 3897.52,5944.13 DD6.2@4190.39,5944.13 ; DD7.50@4005,4910 DD7.49@4005,5010 ; DD6.14@4490.39,6049.13 DD6.13@4490.39,5949.13 4594.13,5949.13 4658.27,5885 4658.27,5681.26 4699.33,5640.2 4622.95,5640.2 C19.1@4596.97,5666.18 DD6.11@4519.02,5744.13 ; R12.2@4525.22,6252.8 4519.17,6258.84 VT6.3@4519.17,6360.28 4575.47,6303.98 C26.1@4643.19,6303.98 4732.95,6214.21 C25.2@4796.73,6214.21 ; C10.2@5186.5,5931.54 5204.61,5949.65 C9.1@5280.98,5949.65 5286.5,5944.13 DD5.2@5383.35,5944.13 ; DD5.11@5683.35,5744.13 5776.26,5744.13 C13.1@5784.92,5752.8 5784.92,5915.08 5755.87,5944.13 DD5.13@5683.35,5944.13 DD5.14@5683.35,6044.13 ; v1(5800,3310) 5875,3310 5978.11,3413.11 ; R8.2@5848.06,6252.8 5897.13,6301.87 VT4.3@5897.13,6360.28 5964.84,6360.28 C24.1@6029.02,6296.1 6092.8,6296.1 6125,6263.9 C23.2@6125,6190 ; XP42.1@5978.11,3524.02 5978.11,3413.11 ; XP10.1@6278.11,3519.02 6278.11,3428.11 6263.11,3413.11 ; C3.2@6357.32,5931.54 6375.43,5949.65 C4.1@6451.81,5949.65 6550.24,5949.65 DD4.2@6554.17,5945.71 ; ACS758.2@6655,5690 6705,5690 6740,5655 C34.1@6740,5620 ; XP2.1@6678.11,3524.02 6678.11,3434.33 6656.89,3413.11 6263.11,3413.11 ; C7.1@6955.75,5551.18 7032.13,5551.18 C8.2@7058.11,5525.2 ; R4.2@7233.88,6260.67 7260.67,6260.67 7283.74,6283.74 VT2.3@7283.74,6363.43 7300.31,6380 C22.1@7435,6380 7615,6380 C21.2@7625,6390 ; 5978.11,3413.11 6263.11,3413.11
  Solder Side w78.74: XT1.6@7675,4570 7740,4635 XP15.1@7740,5335
HIN_A: DD3.25 DD7.27 R41.1 R50.1 XP54.1 | length 5350.8
  Component Side w19.68: R41.1@4290,4445 4375,4445 4445.51,4515.51 R50.1@4445.51,4560 4445.51,4584.43 4431.65,4598.28 4431.65,4634.32 4364.13,4701.85 3858.67,4701.85 3825,4735.52 3825,5125 3889.15,5189.15 5026.82,5189.15 5030.98,5185 5090,5185 v1(5110,5205)
  Component Side w39.37: DD7.27@5105,5010 5110,5015 v1(5110,5205)
  Solder Side w39.37: v1(5110,5205) 5127.68,5187.32 6670.06,5187.32 6750.94,5106.44 6750.94,4441.18 XP54.1@6778.11,4414.02 6777.05,4412.95 DD3.25@6777.05,4315.12